# Altium PCB PCB.PcbDoc
Units mil, origin at the board's own origin, x right, y up, seen from the top; angles counter-clockwise.
Board outline 2335 x 2010 mil, 2 copper layers (Top Layer, Bottom Layer); 26 components, 29 nets, 133 pads, 28 vias.
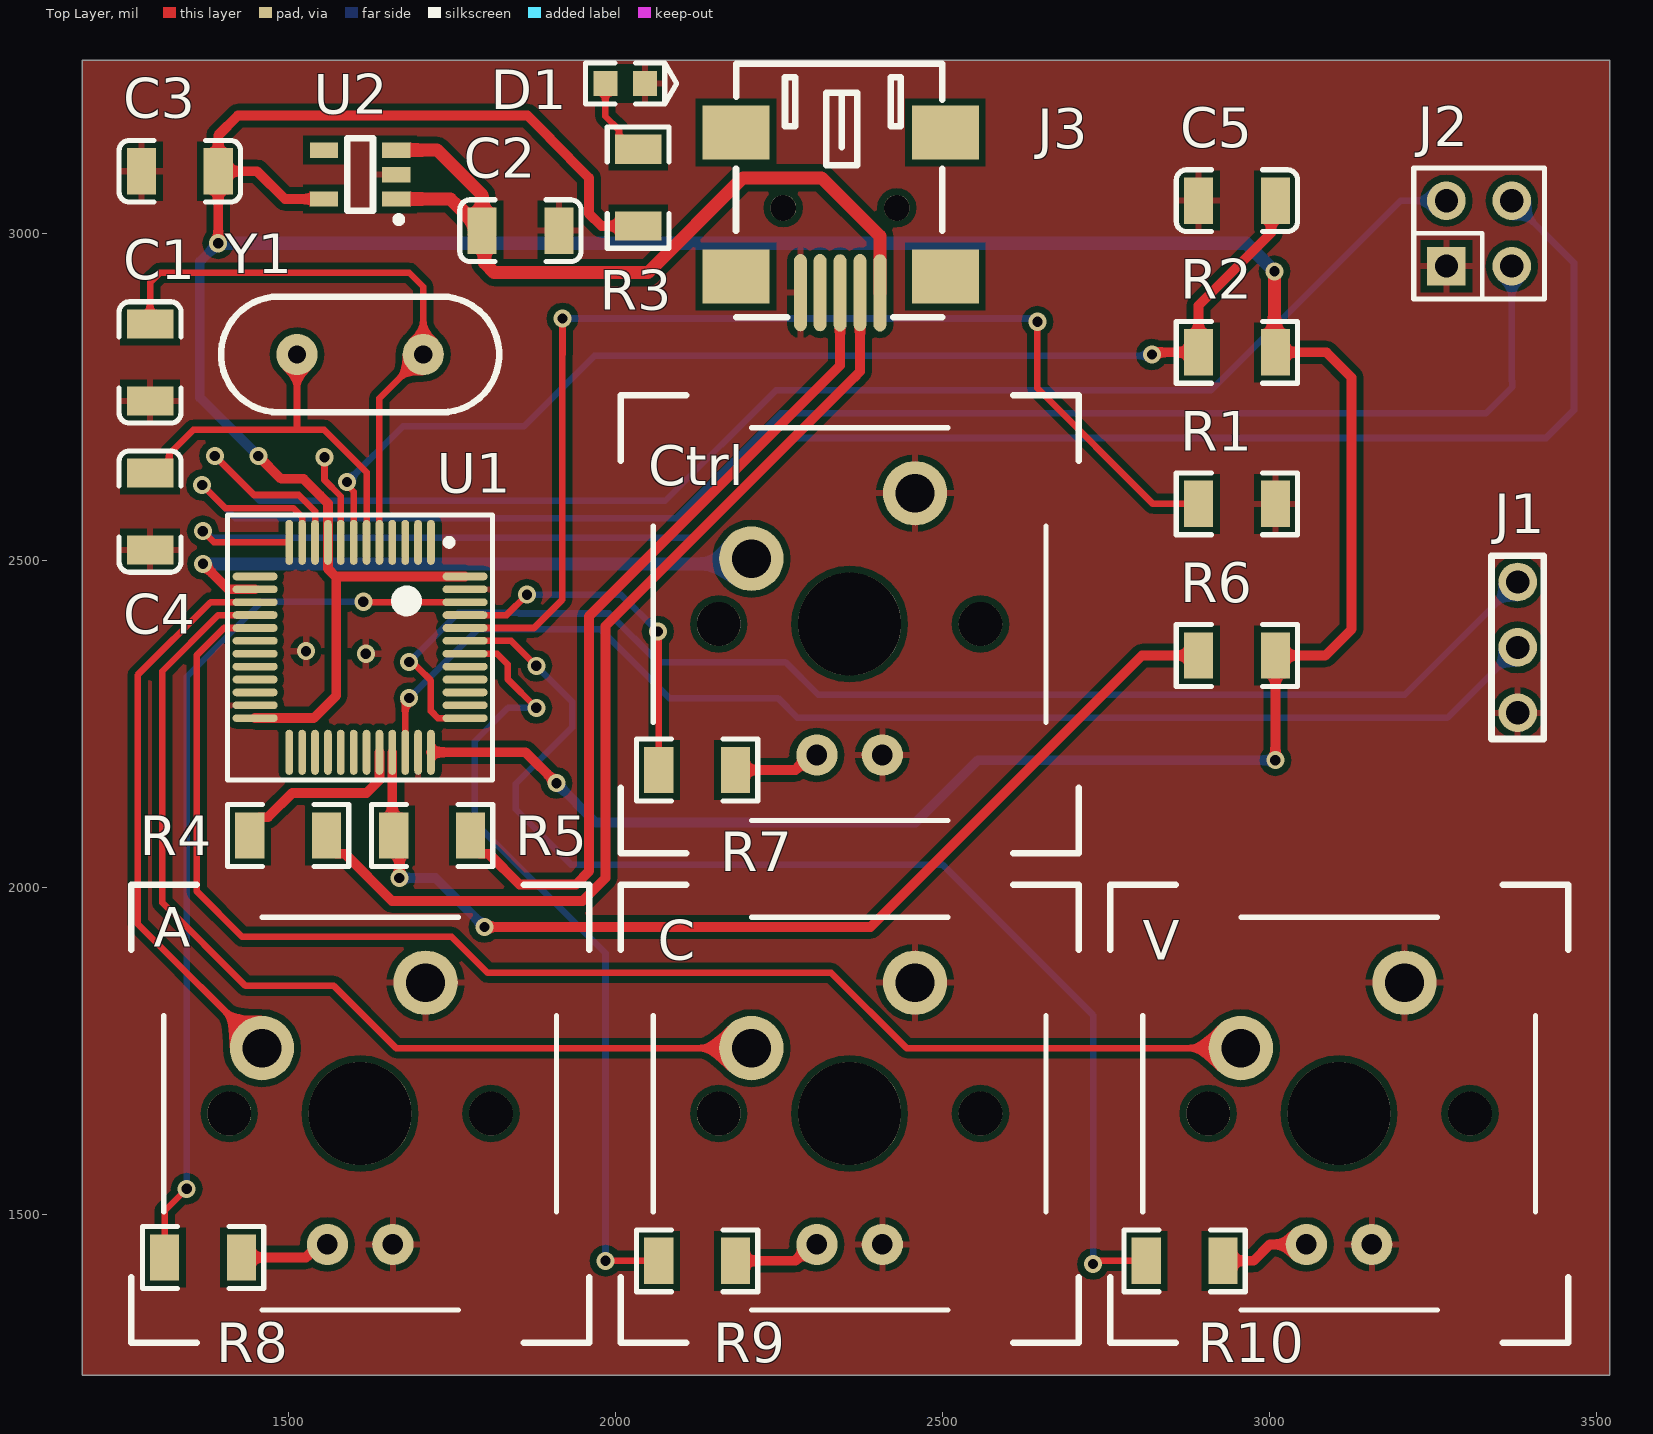
[diagram p0: Top Layer view]
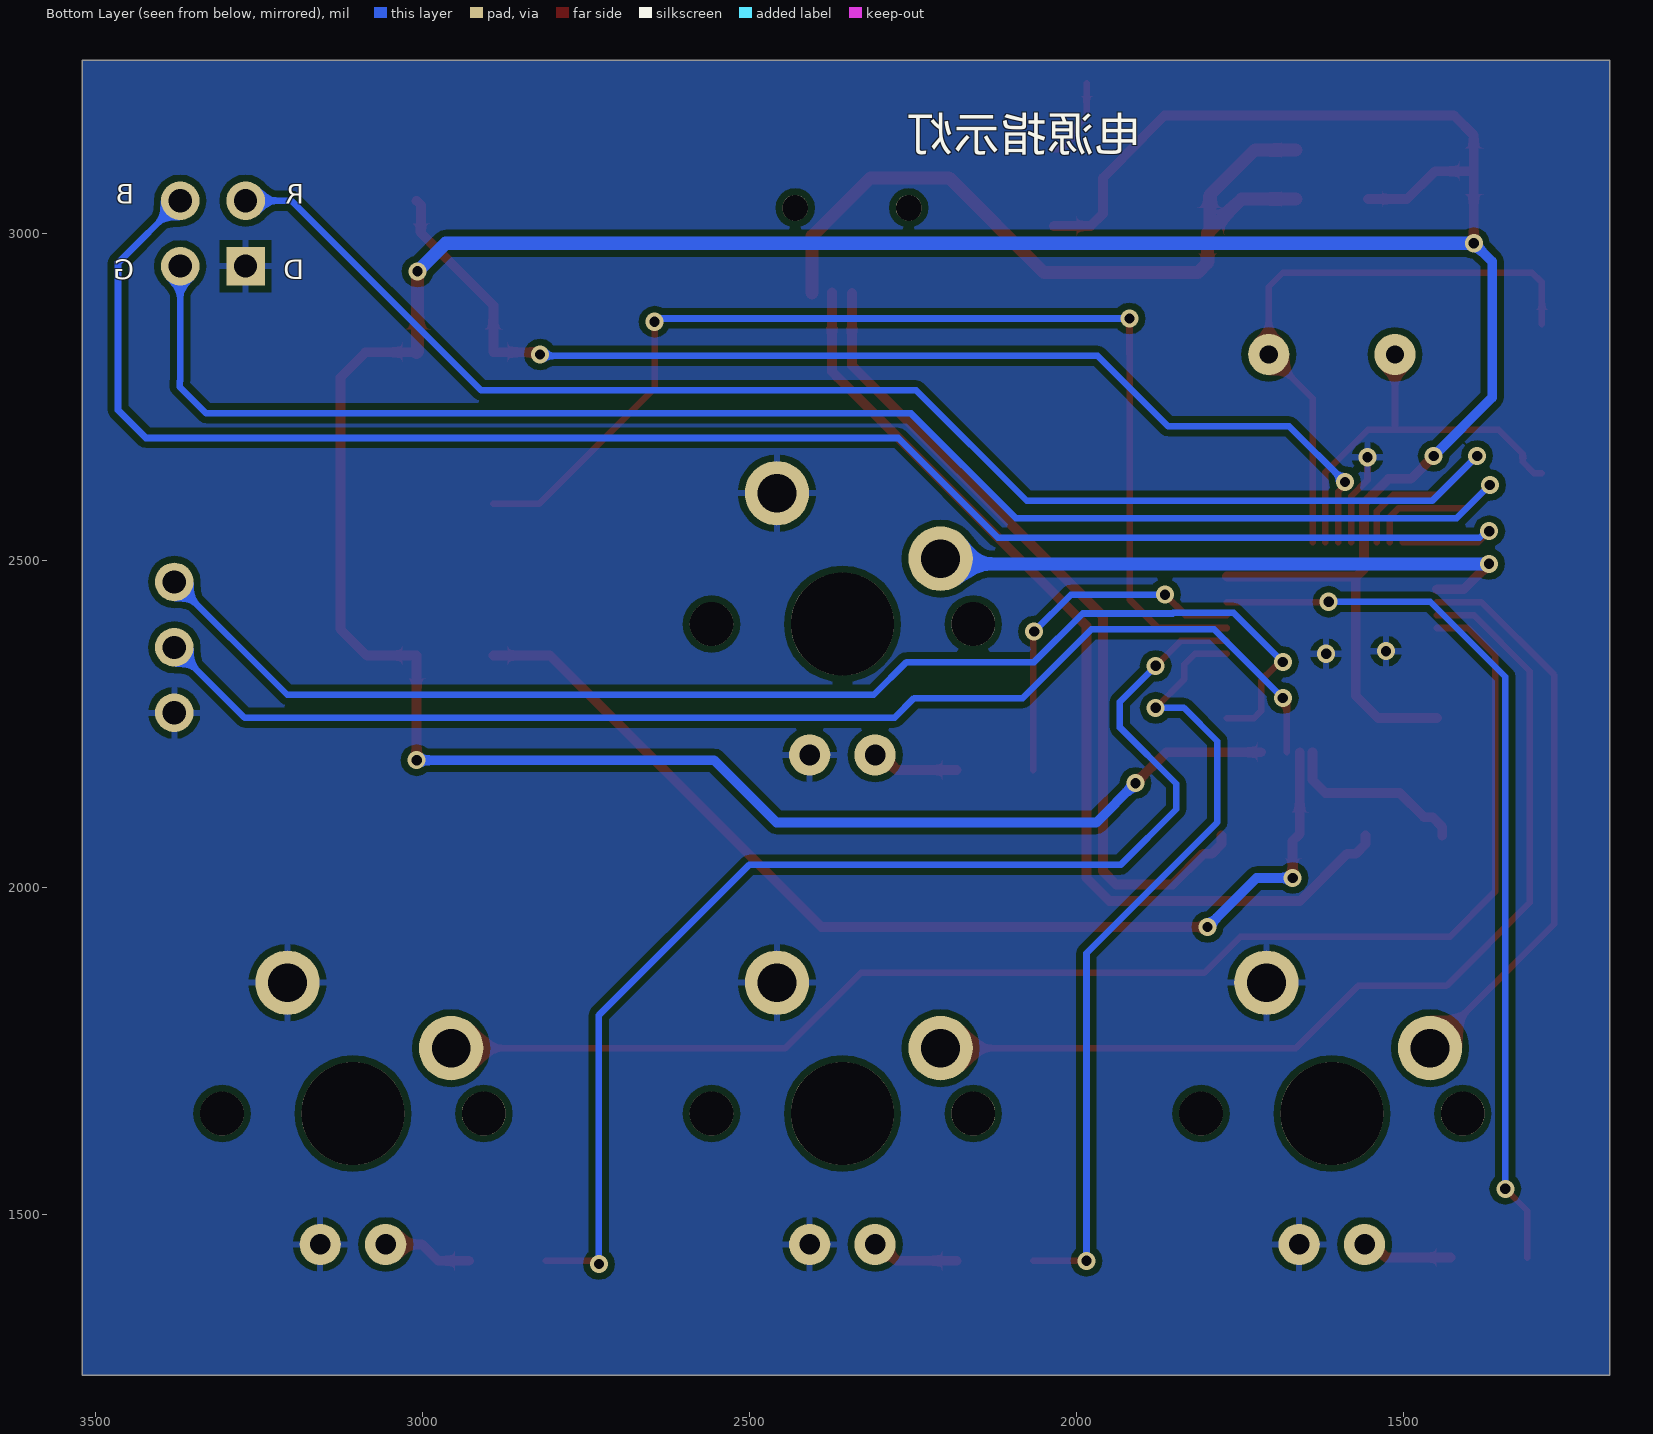
[diagram p1: Bottom Layer view, seen from below]
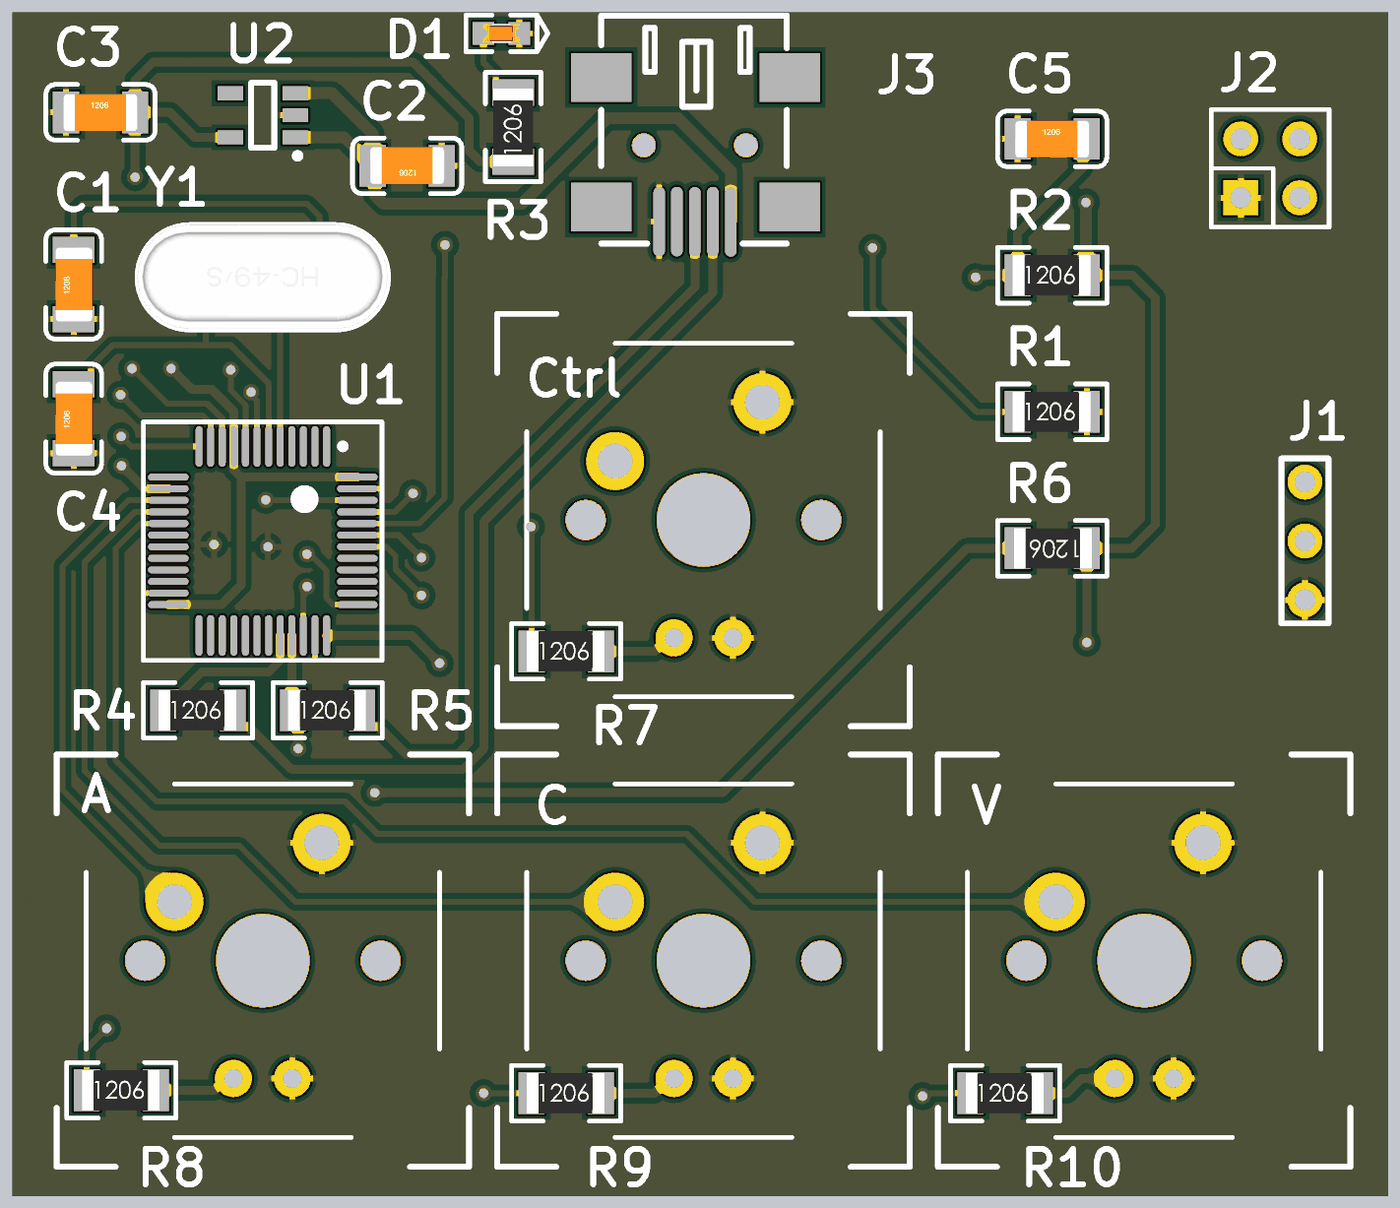
[diagram p2: 3D render of the assembled board from above, using the file's embedded part models]

## Layer stack, top to bottom
Top Solder: solder mask 0.4, Solder Resist, Dk 3.5
Top Layer: signal copper 1.4
Dielectric 1: dielectric 12.6, FR-4, Dk 4.8
Bottom Layer: signal copper 1.4
Bottom Solder: solder mask 0.4, Solder Resist, Dk 3.5

## Board outline
1185,1255 3520,1255 3520,3265 1185,3265

## Design rules (kind name [scope] priority, off if disabled: settings)
Clearance Clearance_1 [All] p1: gap=10 ignorepadtopadclearanceinfootprint=TRUE except(0: Arc-Hole Track-Hole SMDPad-Hole THPad-Hole Via-Hole Fill-Hole Poly-Hole Region-Hole Text-Hole)
Clearance [All] p2: gap=0 ignorepadtopadclearanceinfootprint=TRUE
PolygonConnect [All] p1: connectstyle=Relief reliefconductorwidth=10 reliefentries=4 polygonreliefangle="90 Angle" airgapwidth=10
RoomDefinition 原理图 [InComponentClass('原理图')] p1: confinementstyle=ConfineIn formatcopy=TRUE outline 1405,2570 1815,2570 1815,2160 1405,2160
RoutingVias [All] p1: holewidth=28 width=50 viastyle="Through Hole" minholewidth=15 minwidth=27 maxholewidth=28 maxwidth=50
SolderMaskExpansion [All] p1: expansion=4
UnRoutedNet [All] p1: checkbadconnections=TRUE
Width [All] p1: maxlimit=20 minlimit=10 preferedwidth=10
29 further rules are at their usual default settings.

## Components (designator, comment, footprint, x,y, rotation, side; value= is the part's Value field where it differs from the comment)
A "MX5" Key 1610,1655 r0 top
C "MX5" Key 2358,1655 r0 top
C1 "Cap" LC-1206_C 1289,2802.76 r90 top value=22pF
C2 "Cap" LC-1206_C 1855,3004.13 r180 top value=22pF
C3 "Cap" LC-1206_C 1334.47,3095 r0 top value=22pF
C4 "Cap" LC-1206_C 1289,2575 r90 top value=22pF
C5 "Cap" LC-1206_C 2950,3050 r0 top value=22pF
Ctrl "MX5" Key 2358,2403 r0 top
D1 "电源指示灯" LC-0603_LED_S3 2015,3229.09 r180 top
J1 "2X2Header" IDE3 3378.94,2367.41 r90 top
J2 "2*2Header" IDE4_2.54 3270,2950 r0 top
J3 "MICRO USB" Micro_USB 2404.39,2909.13 r0 top
R1 "Res" LC-1206_R 2950,2586.67 r0 top value=150R
R2 "Res" LC-1206_R 2950,2818.33 r0 top value=150R
R3 "Res" LC-1206_R 2035,3070 r90 top value=150R
R4 "Res" LC-1206_R 1500,2080 r0 top value=150R
R5 "Res" LC-1206_R 1720,2080 r0 top value=150R
R6 "Res" LC-1206_R 2950,2355 r180 top value=150R
R7 "510R" LC-1206_R 2125,2180 r0 top value=150R
R8 "510R" LC-1206_R 1370,1435 r0 top value=150R
R9 "510R" LC-1206_R 2125,1430 r0 top value=150R
R10 "510R" LC-1206_R 2870,1430 r0 top value=150R
U1 "STM32F103C8T6" lqfp48 1718.27,2527.95 r180 top
U2 "5-3.3" LC-SOT-23-5 1610,3090 r0 top
V "MX5" Key 3106,1655 r0 top
Y1 "8MHz" LC-HC-49S 1610,2815 r180 top

## Footprints (in the part's own frame and the unit in brackets; to place one, negate y for a bottom-side part, rotate by r counter-clockwise, add the part's x,y. Pads: shape width x height; smd on the part's side, far side on the other; paste and mask are expansions set on the pad)
IDE3 [mm]
  round 1.5 hole 0.9: 1(-2.54,0) 2(0,0) 3(2.54,0)
  silkscreen extent -3.56,-1.02 3.56,1.02
IDE4_2.54 [mm]
  rect 1.5x1.5 hole 0.9: 1(0,0)
  round 1.5 hole 0.9: 2(0,2.54) 3(2.54,0) 4(2.54,2.54)
  silkscreen extent -1.27,-1.27 3.81,3.81
Key [mm]
  round 1.7 hole 1.7: 0(-5.08,0) 0(5.08,0)
  round 4 hole 4: 0(0,0)
  round 2.5 hole 1.5: 1(-3.81,2.54) 2(2.54,5.08)
  round 1.6 hole 0.8: A(-1.27,-5.08) K(1.27,-5.08)
  silkscreen extent -8.89,-8.89 8.89,8.89
LC-0603_LED_S3 [mm]
  rect 0.93x0.98 smd: A(0.77,0) K(-0.77,0)
  silkscreen extent -2,-0.79 1.53,0.79, body extent -0.8,-0.4 0.8,0.4, height 0.6
LC-1206_C [mm]
  rect 1.13x1.8 smd: 1(-1.49,0) 2(1.49,0)
  silkscreen extent -2.36,-1.2 2.35,1.2, body extent -1.6,-0.81 1.6,0.79, height 1
LC-1206_R [mm]
  rect 1.13x1.8 smd: 1(-1.49,0) 2(1.49,0)
  silkscreen extent -2.36,-1.2 2.35,1.2, body extent -1.7,-0.86 1.65,0.87, height 0.85
LC-HC-49S [mm]
  round 1.6 hole 0.7: 1(-2.45,0) 2(2.45,0)
  silkscreen extent -5.39,-2.25 5.39,2.25, body extent -5.39,-2.27 5.41,2.23, height 3.6
LC-SOT-23-5 [mm]
  rect 1.1x0.6 smd: 1(1.4,-0.95) 2(1.4,0) 3(1.4,0.95) 4(-1.4,0.95) 5(-1.4,-0.95)
  silkscreen extent -0.5,-1.87 1.63,1.4
lqfp48 [mm]
  oval 0.3x1.75 smd: 1(0,0) 2(0.5,0) 3(1,0) 4(1.5,0) 5(2,0) 6(2.5,0) 7(3,0) 8(3.5,0) 9(4,0) 10(4.5,0) 11(5,0) 12(5.5,0) 25(5.5,8.15) 26(5,8.15) 27(4.5,8.15) 28(4,8.15) 29(3.5,8.15) 30(3,8.15) 31(2.5,8.15) 32(2,8.15) 33(1.5,8.15) 34(1,8.15) 35(0.5,8.15) 36(0,8.15)
  oval 1.75x0.3 smd: 13(6.825,1.325) 14(6.825,1.825) 15(6.825,2.325) 16(6.825,2.825) 17(6.825,3.325) 18(6.825,3.825) 19(6.825,4.325) 20(6.825,4.825) 21(6.825,5.325) 22(6.825,5.825) 23(6.825,6.325) 24(6.825,6.825) 37(-1.325,6.825) 38(-1.325,6.325) 39(-1.325,5.825) 40(-1.325,5.325) 41(-1.325,4.825) 42(-1.325,4.325) 43(-1.325,3.825) 44(-1.325,3.325) 45(-1.325,2.825) 46(-1.325,2.325) 47(-1.325,1.825) 48(-1.325,1.325)
  silkscreen extent -2.39,-1.06 7.9,9.23
Micro_USB [mm]
  oval 0.5x3 smd: 1(0,0) 2(-0.775,0.009) 3(-1.549,0) 4(-2.324,0.009) 5(-3.086,0.009)
  rect 2.6x2.1 smd: ""(-5.588,0.635) ""(-5.588,6.223) ""(2.54,0.635) ""(2.54,6.223)
  round 1 hole 1: ""(-3.749,3.299) ""(0.651,3.299)
  silkscreen extent -5.59,-0.94 2.41,8.89

## Part data
A C Ctrl V: library part Key
C1 C2 C3 C4 C5: library part Capacitor, "Capacitor", LatestRevisionDate=17-Jul-2002, LatestRevisionNote="Re-released for DXP Platform.", PackageDescription="Radial Cap, Thru-Hole; 2 Leads; 0.3 in Pin Spacing", PackageReference=RAD-0.3, Published=8-Jun-2000, Publisher="Altium Limited"
D1: library part LED, "Typical INFRARED GaAs LED", LatestRevisionDate=08-Jul-2005, LatestRevisionNote="Mech Layer 1 removed.", PackageDescription="LED; 2 Leads", PackageReference=LED-0, Published=8-Jun-2000, Publisher="Altium Limited"
J1: library part J-Link
J2: library part RGB_LED
J3: library part USB
R1 R2 R3 R4 R5 R6 R7 R8 R9 R10: library part Resistor, "Resistor", LatestRevisionDate=17-Jul-2002, LatestRevisionNote="Re-released for DXP Platform.", PackageDescription="Axial Device, Thru-Hole; 2 Leads; 0.3 in Pin Spacing", PackageReference=AXIAL-0.3, Published=8-Jun-2000, Publisher="Altium Limited"
U2: library part SPX3819, "SPX3819"
Y1: library part XTAL, "Crystal Oscillator", LatestRevisionDate=17-Jul-2002, LatestRevisionNote="Re-released for DXP Platform.", PackageDescription="Crystal, Thru-Hole; 2 Leads; Body 3.1 x 8.2 mm (Dia.xH)", PackageReference=R38, Published=8-Jun-2000, Publisher="Altium Limited"

## Via types
v1: diameter 27.56, hole 15.75, Top Layer to Bottom Layer, tented both sides, 28 vias

## Nets (pads, with @x,y where several pads share a name; then routed paths per layer and width w, separated by ;. In a path a pad name is that pad's centre, name@x,y a point inside that pad or via, vN(x,y) a via of type N, cw(c..) or ccw(c..) an arc to the next point about the centre after c; other vN are vias at no path point)
+5: C2.2 J3.1 U2.1 U2.3 | length 1210.3
  Top Layer w20: U2.1 1747.87,3052.6 C2.2 ; U2.3 1727.6,3127.4 1796.34,3058.66 C2.2 ; J3.1 2404.39,2995.61 2315,3085 2195,3085 2050,2940 1815,2940 1800,2955 1800,3000.47 C2.2
D_N: R4.1 U1.32 | length 283.4
  Top Layer w15: R4.1 1441.34,2093.19 1456.08,2107.93 1469.27,2107.93 1506.34,2145 1619.84,2145 1639.53,2164.68 U1.32
D_P: R5.1 R6.2 U1.33 | length 1620.9
  Top Layer w15: U1.33 1659.21,2082.13 R5.1 1670,2071.34 v1(1670,2015) ; v1(1800,1940) 2390,1940 2805,2355 R6.2
  Bottom Layer w15: v1(1670,2015) 1725,2015 v1(1800,1940)
GND: A.2 A.K C1.1 C2.1 C3.1 C4.1 C5.1 C.2 C.K Ctrl.2 Ctrl.K D1.K J1.1 J2.1 J3.5 R1.2 U1.8 U1.23 U1.35 U1.47 U2.2 V.2 V.K | length 140.3
  Top Layer w10: v1(1555.56,2657.97) 1555.56,2623.17 1580.47,2598.26 U1.8
  other v1: 1618.8,2357.67 1527.22,2361.52
NetA_A: A.A R8.2 | length 139.6
  Top Layer w15: R8.2 1527.22,1435 1547.22,1455 A.A
NetC_A: C.A R9.2 | length 134.7
  Top Layer w15: R9.2 2275.22,1430 2300.22,1455 C.A
NetCtrl_A: Ctrl.A R7.2 | length 133.9
  Top Layer w15: R7.2 2275.22,2180 2298.22,2203 Ctrl.A
NetD1_A: D1.A R3.2 | length 128.4
  Top Layer w10: D1.A 1984.68,3178.98 2005.55,3158.11 2005.55,3145.91 2022.8,3128.66 R3.2
NetJ3_2: J3.2 R4.2 | length 1545.6
  Top Layer w15: R4.2 1558.66,2066.81 1573.41,2052.07 1586.59,2052.07 1658.66,1980 1950,1980 1985,2015 1985,2400 2365,2780 2365.1,2780 2373.89,2788.79 J3.2
NetJ3_3: J3.3 R5.2 | length 1271
  Top Layer w15: R5.2 1778.66,2066.81 1793.41,2052.07 1806.59,2052.07 1853.48,2005.18 1939.82,2005.18 1960,2025.36 1960,2415 2343.39,2798.39 J3.3
NetR1_1: R1.1 U1.44 | length 1745.3
  Top Layer w10: U1.44 1875.7,2397.04 1918.66,2440 1918.66,2815 1919.28,2815.62 v1(1919.28,2870) ; v1(2645,2865) 2645,2763.33 2821.67,2586.67 R1.1
  Bottom Layer w10: v1(1919.28,2870) 2635.25,2870 2640.25,2865 v1(2645,2865)
NetR10_2: R10.2 V.A | length 137.7
  Top Layer w15: R10.2 2975,1430 3000,1455 V.A
NRST: C5.2 R2.1 U1.7 | length 1760
  Top Layer w10: v1(1590,2620) 1590,2615.52 1600.16,2605.36 U1.7
  Top Layer w15: v1(2820,2815) 2823.4,2815 2826.73,2818.33 R2.1 2891.34,2890 3002.19,3000.85 3002.19,3043.53 C5.2
  Bottom Layer w10: v1(1590,2620) 1675,2705 1860,2705 1967.82,2812.82 2817.82,2812.82 v1(2820,2815)
PA0: J2.2 U1.10 | length 2335.9
  Top Layer w10: v1(1388.08,2660) 1447.85,2600.23 1516.22,2600.23 1526.43,2590.02 ; 1526.42,2590 1541.1,2575.32 U1.10
  Bottom Layer w10: v1(1388.08,2660) 1456.86,2591.22 1601.92,2591.22 1602.09,2591.39 2076.39,2591.39 2245,2760 2910,2760 3200,3050 J2.2
PA1: J2.3 U1.11 | length 2502.7
  Top Layer w10: v1(1368.58,2615.52) 1403.87,2580.23 1507.94,2580.23 1521.42,2566.75 U1.11
  Bottom Layer w10: v1(1368.58,2615.52) 1419.1,2565 2092.99,2565 2252.99,2725 3330,2725 3370.86,2765.86 3370.86,2774.14 3370,2775 J2.3
PA2: J2.4 U1.12 | length 2678.9
  Top Layer w10: v1(1369.56,2545) 1386.62,2527.95 U1.12
  Bottom Layer w10: v1(1369.56,2545) 1374.2,2545 1384.2,2535 2120.23,2535 2272.63,2687.4 3422.4,2687.4 3465,2730 3465,2955 J2.4
PA4: Ctrl.1 U1.14 | length 937
  Top Layer w15: v1(1370,2495) 1408.9,2456.1 U1.14
  Bottom Layer w15: Ctrl.1@2200,2495 Ctrl.1
  Bottom Layer w20: v1(1370,2495) Ctrl.1@2200,2495
PA5: A.1 U1.15 | length 874.4
  Top Layer w10: U1.15 1381.41,2436.41 1270,2325 1270,1945 A.1
PA6: C.1 U1.16 | length 1523.8
  Top Layer w10: U1.16 1393.14,2416.73 1307.5,2331.09 1307.5,1977.5 1435,1850 1570,1850 1665,1755 C.1
PA7: U1.17 V.1 | length 2162.4
  Top Layer w10: U1.17 1402.04,2397.04 1360,2355 1360,1995 1430,1925 1750,1925 1805,1870 2330,1870 2445,1755 V.1
PB6: R9.1 U1.42 | length 1229.9
  Top Layer w10: U1.42 1819.25,2357.67 1835.29,2341.63 1835.29,2318.99 v1(1879.28,2275) ; v1(1985,1430) R9.1
  Bottom Layer w10: v1(1879.28,2275) 1836.07,2275 1785,2223.93 1785,2100 1985,1900 v1(1985,1430)
PB7: R10.1 U1.43 | length 1878.5
  Top Layer w10: U1.43 1841.04,2377.36 v1(1879.28,2339.12) ; v1(2730,1425) 2734.75,1425 2739.75,1430 R10.1
  Bottom Layer w10: v1(1879.28,2339.12) 1933.97,2284.43 1933.97,2245 1847.86,2158.89 1847.86,2120 1932.86,2035 2500.53,2035 2730,1805.53 v1(2730,1425)
PB8: R7.1 U1.45 | length 543
  Top Layer w10: U1.45 1833.79,2416.73 v1(1865,2447.94) ; v1(2065,2391.65) 2066.34,2390.32 R7.1
  Bottom Layer w10: v1(1865,2447.94) 2008.72,2447.94 v1(2065,2391.65)
PB9: R8.1 U1.46 | length 1374.7
  Top Layer w10: R8.1 1311.34,1506.34 v1(1345,1540) ; v1(1615,2437.12) 1615.71,2436.41 U1.46
  Bottom Layer w10: v1(1345,1540) 1345,2322.6 1459.52,2437.12 v1(1615,2437.12)
SWCLK: J1.3 U1.37 | length 1996.5
  Top Layer w10: v1(1685,2345) 1689.75,2345 1697.6,2337.15 1697.85,2337.15 1718.27,2316.73 1718.27,2270 1729.02,2259.25 U1.37
  Bottom Layer w10: v1(1685,2345) 1759.98,2419.98 1852.26,2419.98 1853.08,2419.16 1990.84,2419.16 2065,2345 2260,2345 2310,2295 3206.53,2295 J1.3
SWDAT: J1.2 U1.34 | length 1923.3
  Top Layer w10: U1.34 1678.9,2279.15 1685,2285.25 v1(1685,2290)
  Bottom Layer w10: v1(1685,2290) 1790,2395 1977.39,2395 2082.39,2290 2248.4,2290 2278.4,2260 3271.53,2260 J1.2
VCC: C3.2 R2.2 R3.1 R6.1 U1.9 U1.24 U1.36 U1.48 U2.5 | length 6186.4
  Top Layer w15: v1(1393.13,2985) C3.2 ; U1.24 1539.25,2259.25 1573.41,2293.41 1573.41,2475 ; v1(1454.36,2660) 1489.36,2625 1523.27,2625 1548.93,2599.34 ; 1548.93,2599.3 1560.79,2587.45 U1.9 1560.79,2487.62 1573.41,2475 ; U2.5 1495,3052.6 1452.6,3095 C3.2 ; U1.36 1862.92,2207.08 v1(1910,2160) ; U1.48 1574.19,2475.78 1573.41,2475 ; R3.1 1978.66,3011.34 1960,3030 1960,3085 1900,3145 1900,3145.91 1865.91,3180 1423.13,3180 1393.13,3150 C3.2 ; v1(3008.66,2195) R6.1 3085,2355 3125,2395 3125,2780 3086.67,2818.33 R2.2
  Top Layer w20: v1(3007.2,2942.01) 3007.2,2819.8 R2.2
  Bottom Layer w15: v1(1393.13,2985) 1365,2956.87 1365,2749.36 v1(1454.36,2660) ; v1(1910,2160) 1970,2100 2458.92,2100 2553.92,2195 v1(3008.66,2195)
  Bottom Layer w20: v1(1393.13,2985) 2964.21,2985 v1(3007.2,2942.01)
XTAL-IN: C1.2 U1.5 Y1.1 | length 914.5
  Top Layer w10: C1.2 1289,2925 1304,2940 1685,2940 1706.46,2918.54 Y1.1 1639.53,2748.07 U1.5
XTAL-OUT: C4.2 U1.6 Y1.2 | length 615.1
  Top Layer w10: C4.2 1301.2,2633.66 1318.45,2650.91 1318.45,2663.11 1355.34,2700 1515,2700 ; Y1.2 1513.54,2701.46 1515,2700 ; U1.6 1619.84,2635.16 1555,2700 1515,2700
pads on no net: A.0 C.0 Ctrl.0 J3. J3.4 U1.1 U1.2 U1.3 U1.4 U1.13 U1.18 U1.19 U1.20 U1.21 U1.22 U1.25 U1.26 U1.27 U1.28 U1.29 U1.30 U1.31 U1.38 U1.39 U1.40 U1.41 U2.4 V.0

## Polygon pours and split planes (outlines as drawn)
GND on Bottom Layer "Bottom Layer-GND" (solid, remove dead copper, pour order 2): 3520,3265 3520,1255 1185,1255 1185,3265
no net on Bottom Layer "Bottom Layer-No Net" (solid, remove dead copper, pour order 0): 1185,3265
GND on Top Layer (solid, remove dead copper, pour order 4): 1185,3265 1185,1255 3520,1255 3520,3265

## Silkscreen, mask and mechanical layers (free items; w line width, h text height)
Bottom Overlay:
  text "R" at 3180,3045 h30
  text "B" at 3440,3045 h30
  text "D" at 3180,2930 h30
  text "G" at 3440,2930 h30
Mechanical 1:
  the board outline again, w10